# KiCad board FrontEnd_5G.kicad_pcb (continued)
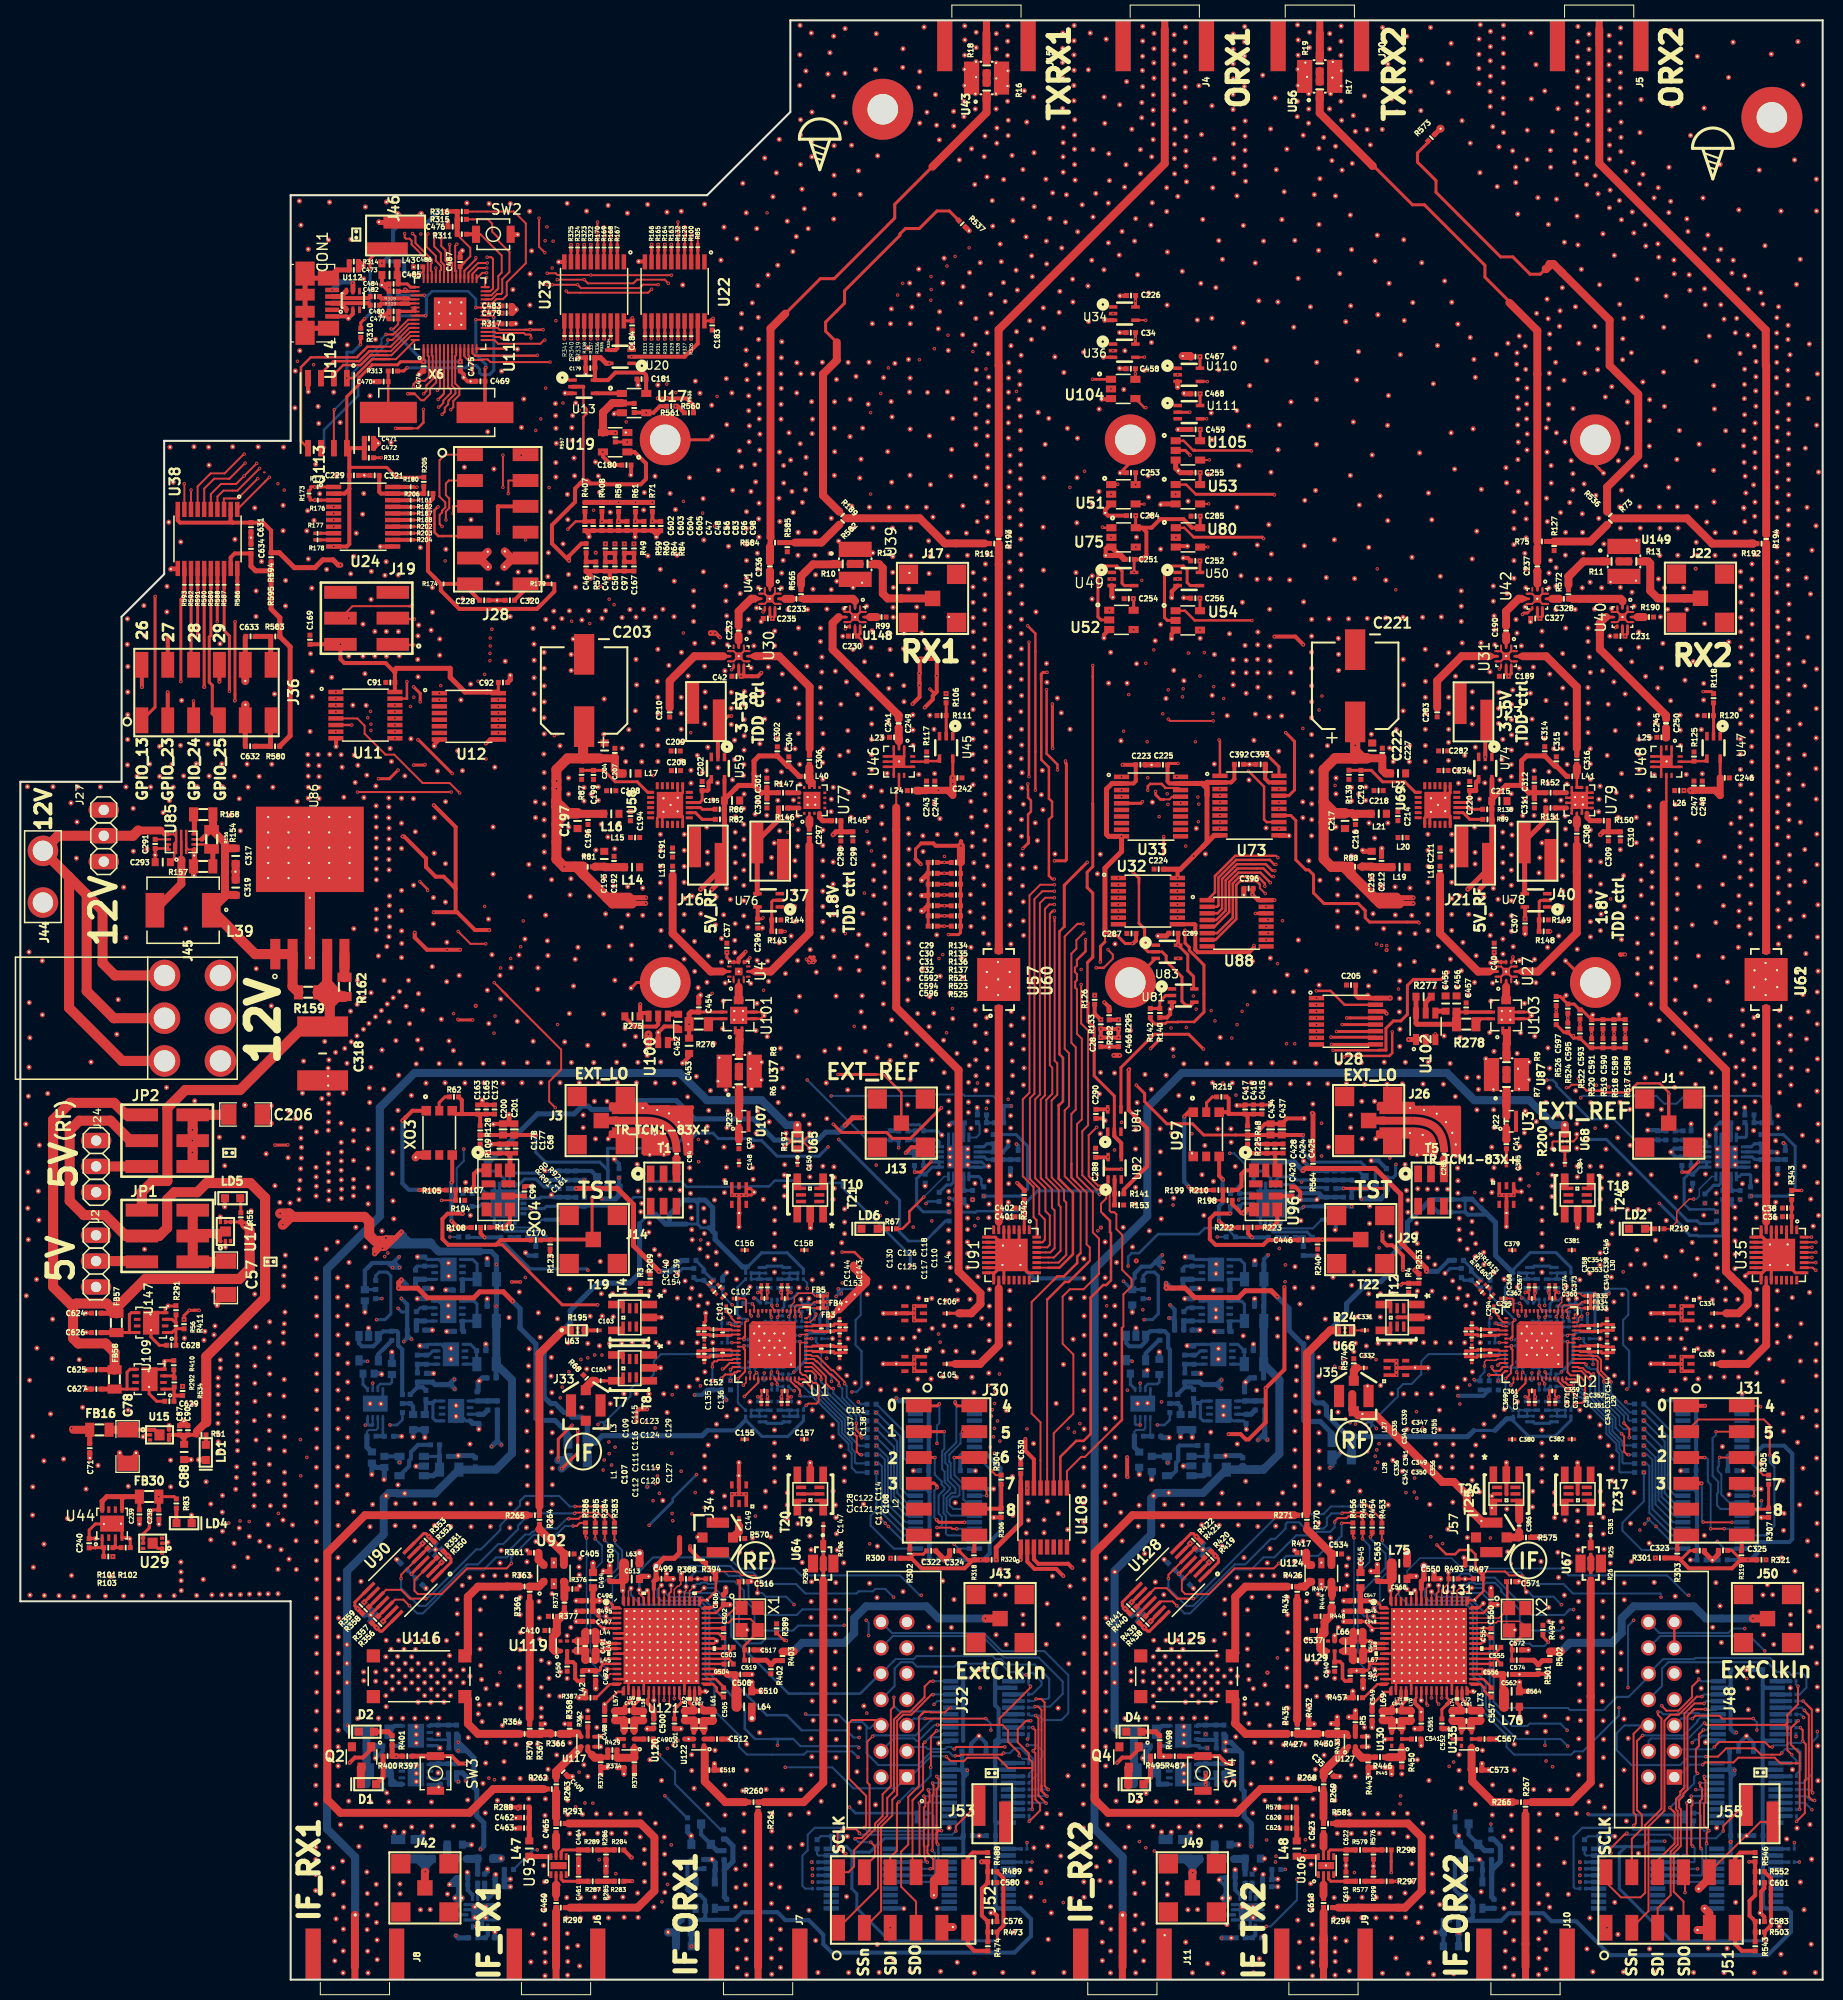
[diagram p0: board, top side]
## Routing (per net, layer and track width the routed paths; a pad name or vN(x,y) marks a point on that pad's centre or on a via; arc(x,y) is an arc through that point) (continued)
Net-(R62-Pad2): length 2.1
  F.RO w0.3: R62.2 41.74,86.77 41.17,86.2 41.17,85.35
Net-(R67-Pad1): length 7.8
  F.RO w0.15: 86.7,73.8 86.56,73.8
  F.RO w0.25: v2(88.81,76.92) 87.39,75.5 87.39,74.49 86.7,73.8 ; R67.1 86.56,73.8
  B2.RO w0.15: v2(88.81,76.92) 90.83,78.94 U18.15
Net-(R69-Pad2): length 2.3
  B2.RO w0.25: 94.47,78.68 94.47,78.71 94.47,78.16 R69.2
  B2.RO w0.3: 94.47,78.68 94.21,78.94 U18.11
Net-(R70-Pad2): length 1.7
  B2.RO w0.3: R70.2 89.28,81.69 89.6,81.37 U18.19
Net-(R77-Pad1): length 1.5
  B2.RO w0.3: R77.1 91.92,77.86 92.24,78.18 U18.13
Net-(R78-Pad1): length 2.4
  B2.RO w0.3: R78.1 91.06,78.12 91.47,78.12 91.74,78.39 U18.14
Net-(R82-Pad1): length 2.8
  F.RO w0.3: 68.32,114.04 67.03,114.04 66.37,114.7 U58.8
Net-(R85-Pad1): length 1.2
  F.RO w0.3: U22.2 66.59,170 R85.1
Net-(R86-Pad1): length 2.6
  F.RO w0.3: 68.3,115.03 67.04,115.03 66.87,115.2 U58.9
Net-(R89-Pad1): length 2.8
  F.RO w0.3: R89.1 142.49,114.05 141.83,114.71 U69.8
Net-(R99-Pad2): length 1.2
  F.RO w0.3: U39.11 83.52,133.93
  F.RO w0.79: R99.2 83.52,133.93
Net-(R100-Pad1): length 1.2
  F.RO w0.3: U22.3 65.94,170 R100.1
Net-(R101-Pad2): length 1.9
  F.RO w0.3: R102.2 R101.2 9.34,42.71 U44.3
Net-(R105-Pad2): length 14.1
  F.RO w0.4: 37.85,84.72 37.91,84.78 v2(37.57,84.44) 38.54,85.41 39.9,85.41 ; R105.2 v2(39.2,77.61)
  B2.RO w0.4: v2(39.2,77.61) 39.17,77.64 38.18,77.64 37.81,78.01 ; 37.81,78.01 37.8,78.01 ; 37.81,78.01 37.55,78.27 37.55,84.42 v2(37.57,84.44)
Net-(R106-Pad2): length 3.3
  F.RO w0.3: R106.2 91.01,125.5 R111.2 U45.2
Net-(R107-Pad2): length 3.7
  F.RO w0.4: 44.61,79.21 44.95,79.55 XO4.1 ; 44.61,79.21 44.61,79.19 ; 44.61,79.21 44.59,79.19 44.59,77.98 44.22,77.61 R107.2
Net-(R108-Pad1): length 8.7
  F.RO w0.4: v2(42.38,74.57) 43.02,73.93 R108.1 ; v2(42.38,78.35) 42.46,78.43 XO3.4
  B2.RO w0.4: v2(42.38,74.57) v2(42.38,78.35)
Net-(R110-Pad1): length 3.4
  F.RO w0.4: R110.1 47.6,73.94 48.13,74.47 48.13,75.7
Net-(R114-Pad1): length 5.6
  B2.RO w0.2: 51.59,74.7 51.26,74.7 50.49,73.93 48.2,73.93 48.11,74.02 U21.17
  B2.RO w0.4: 51.59,74.7 52.97,74.7 R114.1
Net-(R117-Pad2): length 2.8
  F.RO w0.25: U45.4 90.11,119.77 R117.2 89.04,119.72 U46.11
Net-(R118-Pad2): length 3.3
  F.RO w0.3: R118.2 166.44,125.5 R120.2 U47.2
Net-(R119-Pad1): length 1.5
  B2.RO w0.3: R119.1 44.39,76 45.11,76 45.4,76.29 U21.3
  B2.RO w0.4: 44.41,76 R119.1
Net-(R121-Pad2): length 1.8
  B2.RO w0.3: R121.2 44.44,77.34 44.92,77.82 45.24,77.82 45.76,77.3 U21.5
  B2.RO w0.4: 44.42,77.3 R121.2
Net-(R122-Pad2): length 5
  B2.RO w0.3: 51.59,77.95 51.43,77.95 50.69,78.69 49.57,78.69 49.02,78.14 U21.10
  B2.RO w0.4: R122.2 52.79,77.95 51.59,77.95
Net-(R125-Pad2): length 2.8
  F.RO w0.25: 165.8,120.02 165.55,119.77 R125.2 164.47,119.72 U48.11
Net-(R127-Pad2): length 6.6
  F.RO w0.5: R75.1 R127.2
  F.RO w0.79: R73.2 154.34,141.36 R127.2
Net-(R129-Pad1): length 1.2
  F.RO w0.3: U22.4 65.29,170 R129.1
Net-(R131-Pad1): length 1.6
  F.RO w0.15: v2(147.38,66.48) 147.58,66.28 U2.54
  B2.RO w0.15: v2(147.38,66.48) 147.39,66.47 v2(147.38,66.48) ; v2(147.38,66.48) R131.1
Net-(R132-Pad1): length 1.2
  F.RO w0.3: U22.5 64.65,170 R132.1
Net-(R138-Pad1): length 2.6
  F.RO w0.3: R138.1 142.47,115.03 142.31,115.21 U69.9
Net-(R140-Pad2): length 3.1
  F.RO w0.3: U81.2 112.59,96.73 112.01,96.15 R142.2 R140.2
Net-(R141-Pad2): length 2.5
  F.RO w0.4: U82.2 R141.2 107.56,77.23 R153.2
Net-(R143-Pad1): length 3.8
  F.RO w0.3: U76.2 74.01,106.09 73.86,105.94 R144.2
  F.RO w0.4: R143.1 R144.2
Net-(R145-Pad2): length 1.7
  F.RO w0.5: R145.2 78.88,113.91 78.56,114.23 U77.4
Net-(R146-Pad1): length 1.1
  F.RO w0.5: U77.16 R146.1
Net-(R147-Pad1): length 1.1
  F.RO w0.5: U77.13 R147.1
Net-(R148-Pad1): length 3.7
  F.RO w0.3: U78.2 149.44,106.09 149.31,105.95 R149.2
  F.RO w0.4: 149.3,104.16 R148.1
Net-(R150-Pad2): length 1.7
  F.RO w0.5: R150.2 154.33,113.92 154,114.24 U79.4
Net-(R151-Pad1): length 1.1
  F.RO w0.5: U79.16 R151.1
Net-(R152-Pad1): length 1.1
  F.RO w0.5: U79.13 R152.1
Net-(R154-Pad1): length 3.6
  F.RO w0.25: R154.1 18.36,111.58 U85.5
  F.RO w0.5: R157.2 18.92,111.02 R154.1
Net-(R158-Pad1): length 3.7
  F.RO w0.25: U85.7 17.11,114.45 R158.1
  F.RO w0.5: 17.11,112.85 17.11,114.45 R158.1
Net-(R162-Pad1): length 2.3
  F.RO w1: R162.1 U86.5
Net-(R163-Pad1): length 1.2
  F.RO w0.3: U22.6 63.99,170 R163.1
Net-(R164-Pad1): length 1.2
  F.RO w0.3: U22.7 63.35,170 R164.1
Net-(R165-Pad1): length 1.2
  F.RO w0.3: U22.8 62.7,170 R165.1
Net-(R166-Pad1): length 1.2
  F.RO w0.3: U22.9 62.04,170 R166.1
Net-(R167-Pad1): length 1.1
  F.RO w0.3: R167.1 58.68,168.85 U23.2
Net-(R168-Pad1): length 1.1
  F.RO w0.3: U23.3 58.02,169.97 R168.1
Net-(R169-Pad1): length 1.1
  F.RO w0.3: U23.4 57.37,169.97 R169.1
Net-(R170-Pad1): length 1.1
  F.RO w0.3: U23.5 56.73,169.97 R170.1
Net-(R175-Pad2): length 1.3
  F.RO w0.3: U24.1 30.79,146.72 R175.2
Net-(R176-Pad2): length 1.3
  F.RO w0.3: U24.3 30.79,145.42 R176.2
Net-(R177-Pad2): length 1.3
  F.RO w0.3: R177.2 29.49,142.17 U24.8
Net-(R178-Pad2): length 1.3
  F.RO w0.3: R178.2 29.49,141.52 30.8,141.52
Net-(R180-Pad1): length 1.5
  F.RO w0.4: 38.1,146.72 38.09,146.72 U24.20
Net-(R181-Pad1): length 1.5
  F.RO w0.4: 38.1,145.41 38.09,145.42 U24.18
Net-(R182-Pad1): length 1.5
  F.RO w0.4: R182.1 38.1,144.77 U24.17
Net-(R187-Pad1): length 1.5
  F.RO w0.4: R187.1 38.1,144.12 U24.16
Net-(R188-Pad1): length 1.5
  F.RO w0.4: R188.1 38.1,143.47 U24.15
Net-(R189-Pad2): length 39.1
  F.RO w0.3: 80.26,160.93 79.16,162.03 79.16,162.92 81.02,164.78 81.02,166 86.46,171.44 86.46,171.58 87,172.12 88.38,172.12 90.1,173.84 91.32,173.84 R537.2
  F.RO w0.79: 80.26,160.93 80.26,159.17 78.9,157.81 78.9,145.89 R189.2
Net-(R190-Pad2): length 1.2
  F.RO w0.3: U40.11 158.97,133.93
  F.RO w0.79: 158.97,133.93 R190.2
Net-(R191-Pad1): length 40
  F.RO w0.79: U57.2 96.18,139.1 R191.1
Net-(R192-Pad1): length 40
  F.RO w0.79: 171.61,101.13 U61.2 R192.1
Net-(R196-Pad1): length 1.8
  F.RO w0.2: 78.93,40.39 78.93,40 ; R196.1 78.93,41.41
  F.RO w0.7: 78.93,40.39 78.94,40.39 78.93,40.4 78.93,41.41
Net-(R199-Pad2): length 10.8
  F.RO w0.4: v2(114.41,84.84) 114.84,85.27 115.3,85.27 ; v2(114.82,77.94) 115.15,77.61 R199.2
  B2.RO w0.4: v2(114.41,84.84) 114.41,78.42 114.82,78.01 v2(114.82,77.94)
Net-(R202-Pad1): length 1.5
  F.RO w0.4: R202.1 38.1,142.81 U24.14
Net-(R203-Pad1): length 1.5
  F.RO w0.4: R203.1 38.1,142.17 U24.13
Net-(R204-Pad1): length 1.5
  F.RO w0.4: R204.1 38.1,141.52 36.6,141.52
Net-(R210-Pad2): length 3.6
  F.RO w0.4: U96.1 120.4,79.55 120.03,79.18 120.03,77.99 119.65,77.61 R210.2
Net-(R215-Pad2): length 2.1
  F.RO w0.3: 116.61,85.35 116.61,86.2 117.18,86.77 R215.2
Net-(R219-Pad1): length 8.3
  F.RO w0.15: 162.83,74.69 162.83,75.5 164.05,76.72 v2(164.5,76.72) ; 162.83,74.69 162.83,74.65 ; 162.83,74.69 162.83,74.49 162.14,73.8 R219.1
  B2.RO w0.15: v2(164.5,76.72) 164.76,76.72 165.04,77 165.04,77.71 166.27,78.94 U98.15
Net-(R220-Pad2): length 2.7
  B2.RO w0.2: 170.09,77.9 R220.2
  B2.RO w0.3: U98.11 168.98,78.94 169.18,79.14 170,79.14 170.09,79.05 170.09,77.9
Net-(R221-Pad2): length 1.7
  B2.RO w0.3: R221.2 164.72,81.69 165.04,81.37 U98.19
Net-(R222-Pad1): length 9
  F.RO w0.3: v2(118.23,78.63) 118.24,78.63
  F.RO w0.4: v2(117.82,74.58) 118.47,73.93 R222.1 ; 117.84,80.92 117.84,79.02 v2(118.23,78.63)
  B2.RO w0.3: 118.19,78.59 v2(118.23,78.63)
  B2.RO w0.4: v2(117.82,74.58) 117.82,76 118.19,76.37 118.19,78.65 118.19,78.59
Net-(R223-Pad1): length 3.4
  F.RO w0.4: 123.57,75.7 123.57,74.47 123.04,73.94 R223.1
Net-(R230-Pad2): length 1.5
  B2.RO w0.3: U98.13 167.68,78.18 167.36,77.86 R230.2
Net-(R231-Pad2): length 2.7
  B2.RO w0.3: R231.2 166.46,78.08 166.96,78.08 167.18,78.3 U98.14
Net-(R234-Pad1): length 5.9
  B2.RO w0.2: 127.92,74.7 127.06,73.84 123.46,73.84 123.41,73.89 U99.17
  B2.RO w0.4: R234.1 127.92,74.7
Net-(R237-Pad1): length 1.3
  B2.RO w0.3: U99.3 120.14,76.29 R237.1
  B2.RO w0.4: 119.85,76 R237.1
Net-(R238-Pad2): length 1.2
  B2.RO w0.3: U99.5 R238.2
Net-(R239-Pad2): length 4.7
  B2.RO w0.25: R239.2 128.33,77.84
  B2.RO w0.3: 128.33,77.84 125.48,77.84 125.18,78.14 U99.10
Net-(R241-Pad2): length 2.1
  B2.RO w0.3: 116.4,61.8 115.99,61.8 115.58,61.39 R242.1
  B2.RO w0.4: R241.2 R242.1
Net-(R243-Pad2): length 1.9
  B2.RO w0.3: R243.2 114.75,66.04 R246.1 116.13,66.04 U140.3
Net-(R254-Pad2): length 2.2
  B2.RO w0.3: R254.2 114.29,69.95 114.47,70.13 R259.1 115.19,70.14 116.16,70.14
Net-(R262-Pad2): length 71
  F.RO w0.5: 49.31,18.74 R262.2 ; 49.79,45.65 R265.2
  F.RO w0.79: 51.45,18.74 46.49,18.74 44.15,16.4 31.47,16.4 30.18,17.69 30.18,41.95 33.88,45.65 49.79,45.65
Net-(R268-Pad2): length 68.9
  F.RO w0.5: R268.2 126.85,18.74 ; R271.2 125.22,45.65
  F.RO w0.79: 125.22,45.65 109.32,45.65 105.62,41.95 105.62,17.68 105.85,17.45 105.85,17.47 106.92,16.4 119.59,16.4 121.93,18.74 126.85,18.74
Net-(R275-Pad1): length 4.6
  F.RO w0.4: U100.5 62.7,93.89 62.49,93.68 60.35,93.68 59.42,94.61 R275.1
Net-(R276-Pad1): length 2.6
  F.RO w0.15: R276.1 68.18,94.45 69.12,94.45
  F.RO w0.3: 69.13,94.45 68.19,94.45
Net-(R277-Pad1): length 2.6
  F.RO w0.3: R277.1 138.15,96.06
  F.RO w0.5: R277.1 138.15,96.06 138.15,95
Net-(R278-Pad1): length 1.7
  F.RO w0.3: R278.1 143.63,94.45 U103.8
Net-(R283-Pad1): length 2.6
  F.RO w0.4: R285.1 R287.1
  F.RO w0.5: R287.1 R283.1
Net-(R284-Pad1): length 1.7
  F.RO w0.5: R284.1 R286.1 R289.1
Net-(R290-Pad2): length 24.1
  F.RO w0.5: 53.91,15.35 53.91,15.34 53.9,15.35 R293.2 ; R290.2 54.04,7.08
  F.RO w0.79: 53.91,15.35 60.97,15.35 62.33,13.99 62.33,8.73 60.68,7.08 54.04,7.08
Net-(R291-Pad1): length 2
  F.RO w0.3: U147.3 14.92,64.91 R56.2 15.29,65.36
Net-(R292-Pad2): length 2
  F.RO w0.3: 15.11,59.98 15.11,59.17 R292.2 14.93,59.34 U109.3
Net-(R294-Pad2): length 24.1
  F.RO w0.5: 131.54,7.08 131.56,7.1 ; 129.39,15.35 R581.2 ; R294.2 129.56,7.08
  F.RO w0.79: 129.39,15.35 136.41,15.35 137.76,14 137.76,8.72 136.12,7.08 129.56,7.08
Net-(R297-Pad1): length 1.7
  F.RO w0.5: R577.1 R299.1 R297.1
Net-(R298-Pad1): length 1.7
  F.RO w0.5: R298.1 R576.1 R579.1
Net-(R317-Pad2): length 2.9
  F.RO w0.2: U115.19 46.26,162.75 46.21,162.75 R317.2
  F.RO w0.3: R317.2 46.21,162.75
Net-(R322-Pad1): length 1.1
  F.RO w0.3: U23.6 56.07,169.97 R322.1
Net-(R323-Pad1): length 1.1
  F.RO w0.3: U23.7 55.43,169.97 R323.1
Net-(R324-Pad1): length 1.1
  F.RO w0.3: U23.8 54.77,169.97 R324.1
Net-(R325-Pad1): length 1.1
  F.RO w0.3: U23.9 54.12,169.97 R325.1
Net-(R326-Pad2): length 1.2
  F.RO w0.25: U22.18 65.94,163.04
  F.RO w0.3: 65.94,163.04 R326.2
Net-(R327-Pad2): length 1.2
  F.RO w0.3: R327.2 65.3,163.04 U22.17
Net-(R328-Pad2): length 1.2
  F.RO w0.3: R328.2 64.65,163.04 U22.16
Net-(R329-Pad2): length 1.2
  F.RO w0.3: R329.2 64,163.04 U22.15
Net-(R330-Pad2): length 1.2
  F.RO w0.3: R330.2 63.35,163.04 U22.14
Net-(R331-Pad2): length 1.2
  F.RO w0.3: R331.2 62.7,163.04 U22.13
Net-(R332-Pad2): length 1.2
  F.RO w0.3: R332.2 62.05,163.04 U22.12
Net-(R333-Pad2): length 1.2
  F.RO w0.3: U22.11 61.4,161.82 R333.2
Net-(R334-Pad2): length 1.2
  F.RO w0.3: U23.18 58.02,161.84 R334.2
Net-(R335-Pad2): length 1.2
  F.RO w0.3: U23.17 57.37,161.84 R335.2
Net-(R336-Pad2): length 1.2
  F.RO w0.3: U23.16 56.73,161.84 R336.2
Net-(R337-Pad2): length 1.2
  F.RO w0.3: U23.15 56.07,161.84 R337.2
Net-(R338-Pad2): length 1.2
  F.RO w0.3: R338.2 55.43,163.04 U23.14
Net-(R339-Pad2): length 1.2
  F.RO w0.3: R339.2 54.78,163.04 U23.13
Net-(R340-Pad2): length 1.2
  F.RO w0.3: R340.2 54.13,163.04 U23.12
Net-(R341-Pad2): length 1.2
  F.RO w0.3: R341.2 53.48,163.04 U23.11
Net-(R344-Pad1): length 3.5
  B2.RO w0.25: 117.52,19.77 115.77,19.77 115.69,19.84
  B2.RO w0.4: 117.57,19.77 117.57,20.27 R72.2 ; 117.57,19.77 117.57,19.92 117.52,19.97 117.52,19.77 117.57,19.77 ; 117.57,19.77 117.57,19.17
Net-(R345-Pad2): length 3.3
  B2.RO w0.4: 117.57,23.57 117.57,24.07 R345.2 ; 117.57,23.57 R346.1 ; 117.57,23.57 115.77,23.57 U26.3
Net-(R349-Pad1): length 1.3
  F.RO w0.3: v2(41.41,41.02) 41.41,41.02 R350.1 40.52,40.12 U90.2
Net-(R353-Pad1): length 1.3
  F.RO w0.3: v2(39.55,42.88) 39.55,42.84 U90.6
  B2.RO w0.3: v2(39.55,42.88) R354.1
Net-(R355-Pad1): length 1.3
  F.RO w0.3: v2(35.67,35.22) 35.67,35.28 U90.13
  B2.RO w0.4: v2(35.67,35.22) 35.66,35.22 R355.1
Net-(R359-Pad1): length 1.3
  F.RO w0.3: U90.9 v2(33.8,37.09)
  B2.RO w0.3: v2(33.8,37.09) R360.1
Net-(R361-Pad2): length 1.4
  F.RO w0.79: U92.6 50.94,41.28 R361.2
Net-(R362-Pad2): length 1
  F.RO w0.4: U117.5 R362.2
Net-(R363-Pad1): length 17.8
  F.RO w0.79: 43.99,32.11 43.99,37.63 ; 43.99,32.11 U116.2 ; 43.99,32.11 U116.2 ; U116.2 44,32.12 44,37.64 44.99,38.63 47.83,38.63 47.83,38.64 R363.1
Net-(R363-Pad2): length 1.6
  F.RO w0.79: U92.1 50.98,38.64 R363.2
Net-(R364-Pad1): length 8.3
  F.RO w0.79: U116.1 44,27.52 44,25.15 44.99,24.16 R364.1
Net-(R364-Pad2): length 2.2
  F.RO w0.79: R366.2 52.11,24.21 R367.2 51.16,24.16 R364.2
Net-(R366-Pad1): length 2.2
  F.RO w0.5: 54.79,24.21 U117.6
  F.RO w0.79: 54.79,24.21 R368.2 53.95,24.16 R366.1
Net-(R369-Pad2): length 15.7
  F.RO w0.5: 50.07,35.51 R369.2 ; 50.07,27.2 R370.2
  F.RO w0.79: 50.07,37.11 50.07,25.7
Net-(R371-Pad1): length 1.2
  B2.RO w0.5: U118.1 68.28,7 R371.1
Net-(R372-Pad2): length 3.4
  F.RO w0.5: 56.17,22.11 55.78,22.5 U117.2 ; R372.2 57.1,21.87 R374.1 R429.2
  F.RO w0.79: R372.2 56.46,21.82 56.17,22.11
Net-(R373-Pad2): length 2.5
  F.RO w0.5: R376.2 53.43,38.78 U92.3
  F.RO w0.79: R373.2 53.48,39.06 U92.3
Net-(R374-Pad2): length 4.5
  F.RO w0.3: R378.2 60.36,22.96 U120.1
  F.RO w0.5: R429.1 R374.2
  F.RO w0.79: 60.35,22.67 60.36,22.66 R378.2 58.71,21.81 R374.2
Net-(R375-Pad1): length 2.1
  B2.RO w0.4: R375.1 67.19,10.9 R379.2 66.37,10.89 U118.4
Net-(R383-Pad1): length 9.7
  F.RO w0.15: 57.62,36.54 58.12,36.04 U121.2
  F.RO w0.2: v2(58.45,43.18) 58.4,43.23 R383.1
  B2.RO w0.15: 59.15,40.22 58.2,39.27 58.2,36.99 57.75,36.54 57.62,36.54
  B2.RO w0.2: v2(58.45,43.18) 58.45,42.89 59.15,42.19 59.15,40.22
Net-(R384-Pad1): length 12
  F.RO w0.15: 57.56,35.71 57.73,35.54 U121.3
  F.RO w0.2: v2(57.43,43.2) 57.45,43.22 R384.1
  B2.RO w0.15: 58.66,40.36 56.41,38.12 56.41,35.97 56.67,35.71 57.56,35.71
  B2.RO w0.2: v2(57.43,43.2) 58.77,41.86 58.77,40.48 58.66,40.36
Net-(R385-Pad1): length 15.9
  F.RO w0.15: 57.69,30.51 57.72,30.54 U121.13
  F.RO w0.2: v2(56.5,43.33) 56.52,43.35 R385.1
  B2.RO w0.15: 57.18,42.32 57.18,41.05 56.04,39.91 56.04,32.15 57.68,30.51 57.69,30.51
  B2.RO w0.2: v2(56.5,43.33) 57.18,42.65 57.18,42.32
Net-(R386-Pad1): length 16.5
  F.RO w0.15: 57.65,29.74 57.95,30.04 U121.14
  F.RO w0.2: v2(55.66,43.42) 55.55,43.53 R386.1
  B2.RO w0.15: 55.66,43.46 v2(55.66,43.42) 55.66,31.65 56.86,30.45 56.86,30.12 57.24,29.74 57.65,29.74
Net-(R387-Pad2): length 2.7
  F.RO w0.25: R387.2 56.62,27.71 57.95,29.04 U121.16
Net-(R405-Pad1): length 1.3
  B2.RO w0.3: R405.1 98.39,12.86 U123.1
Net-(R406-Pad1): length 1.3
  B2.RO w0.3: R406.1 98.39,11.56 U123.3
Net-(R413-Pad1): length 2
  B2.RO w0.4: R413.1 87.5,9.61 U133.6
Net-(R416-Pad1): length 1.3
  B2.RO w0.3: R416.1 78.42,8.96 U133.14
Net-(R417-Pad2): length 1.6
  F.RO w0.79: R417.2 126.4,41.03 126.68,40.75 U124.6
Net-(R418-Pad1): length 1.3
  F.RO w0.3: U128.2 v2(116.85,41.02)
Net-(R422-Pad1): length 1.3
  F.RO w0.3: U128.6 115,42.85
  F.RO w0.4: 115,42.85 v2(115,42.89)
Net-(R424-Pad1): length 1.2
  B2.RO w0.5: U126.1 144.86,7.01 R424.1
Net-(R426-Pad1): length 11.9
  F.RO w0.79: R426.1 120.43,38.63 119.43,37.63 119.43,32.11 ; 119.43,32.11 U125.2 119.43,32.11
Net-(R426-Pad2): length 2.3
  F.RO w0.5: 126.71,39.11 126.23,38.63 ; 125.87,38.63 R426.2
  F.RO w0.79: 125.87,38.63 126.23,38.63 126.71,39.11 U124.1
Net-(R427-Pad1): length 8.8
  F.RO w0.79: 119.39,25.21 119.46,25.15 ; 119.46,25.15 120.44,24.16 R427.1 ; 119.46,25.15 119.46,27.5 U125.1 119.39,27.57
Net-(R427-Pad2): length 2.2
  F.RO w0.79: R427.2 126.61,24.16 R432.2 126.71,24.16 R430.2
Net-(R430-Pad1): length 3
  F.RO w0.5: 129.54,24.13 130.34,24.13 U127.6
  F.RO w0.79: 130.34,24.13 129.54,24.13 R433.2 129.39,24.16 R430.1
Net-(R431-Pad1): length 2.1
  B2.RO w0.4: R431.1 R436.2 U126.4
Net-(R434-Pad2): length 15.3
  F.RO w0.5: 125.53,35.77 125.53,37.67 R434.2 ; 125.51,26.75 125.51,25.13 R435.2
  F.RO w0.79: 125.51,25.57 125.52,25.57 125.52,37.27 125.53,37.28
Net-(R437-Pad1): length 1.3
  F.RO w0.3: U128.13 111.99,36.11 R438.1
  F.RO w0.5: v2(111.11,35.23) R438.1
Net-(R441-Pad1): length 1.3
  F.RO w0.3: v2(109.24,37.09) U128.9
Net-(R443-Pad2): length 2.7
  F.RO w0.5: U127.2 131.23,22.47 131.32,22.38 ; R443.2 132.56,21.87 R446.1
  F.RO w0.79: 131.32,22.4 131.32,22.38 131.89,21.81 R443.2
Net-(R444-Pad2): length 3.7
  F.RO w0.25: R447.2 128.94,38.09 R444.2
  F.RO w0.5: 128.94,38.4 128.94,39.05 U124.3 128.88,38.79 ; R444.2 128.94,37.82
  F.RO w0.79: 128.94,37.82 128.94,38.4 128.88,38.46 U124.3
Net-(R445-Pad1): length 5
  F.RO w0.5: U130.1 135.8,21.81 R450.2 134.16,21.81 R446.2
  F.RO w0.79: 135.79,22.57 135.79,21.82 R450.2 135.75,21.86 134.46,21.86
Net-(R453-Pad1): length 9.7
  F.RO w0.15: 133.06,36.49 133.51,36.04 U131.2
  F.RO w0.2: v2(133.89,43.18) 133.84,43.23 R453.1
  B2.RO w0.15: 134.6,40.23 133.65,39.28 133.65,37.07 133.64,37.07 133.06,36.49
  B2.RO w0.2: v2(133.89,43.18) 133.89,42.89 134.6,42.18 134.6,40.23
Net-(R454-Pad1): length 12.7
  F.RO w0.15: 133.01,35.71 133.18,35.54 U131.3
  F.RO w0.25: v2(132.71,43.52) 132.89,43.7 R454.1
  B2.RO w0.2: 133.29,42.78 134.21,41.87 134.21,40.47 131.87,38.13 131.87,35.97 132.13,35.71 133.01,35.71 ; 133.29,42.78 132.71,43.36 v2(132.71,43.52) ; 133.29,42.78 132.87,43.2
Net-(R455-Pad1): length 15.9
  F.RO w0.2: 133.14,30.51 134.06,30.51 U131.13 ; v2(131.94,43.33) 131.95,43.34 R455.1
  B2.RO w0.15: 132.63,42.29 132.63,41.05 131.48,39.9 131.48,32.17 133.14,30.51
  B2.RO w0.2: v2(131.94,43.33) 132.63,42.64 132.63,42.29
Net-(R456-Pad1): length 16.2
  F.RO w0.2: 132.88,29.87 133.38,29.87 133.55,30.04 U131.14 ; v2(131.1,43.42) 130.99,43.53 R456.1
  B2.RO w0.15: 131.1,43.45 v2(131.1,43.42) 131.1,31.65 132.88,29.87
Net-(R457-Pad2): length 2.7
  F.RO w0.25: R457.2 132.08,27.71 133.41,29.04 U131.16
Net-(R460-Pad1): length 1.5
  B2.RO w0.4: R460.1 98.58,21.28 97.13,21.28
Net-(R461-Pad1): length 1.5
  B2.RO w0.4: R461.1 98.6,19.99 U132.3
Net-(R462-Pad1): length 1.5
  B2.RO w0.4: R462.1 98.59,19.34 U132.4
Net-(R463-Pad1): length 1.5
  B2.RO w0.4: R463.1 98.6,18.69 U132.5
Net-(R464-Pad1): length 1.5
  B2.RO w0.4: R464.1 98.6,18.03 U132.6
Net-(R465-Pad1): length 1.5
  B2.RO w0.4: R465.1 98.59,17.39 U132.7
Net-(R466-Pad1): length 1.5
  B2.RO w0.4: R466.1 98.59,16.74 U132.8
Net-(R467-Pad1): length 1.5
  B2.RO w0.4: R467.1 98.6,16.09 U132.9
Net-(R468-Pad1): length 2
  B2.RO w0.4: R468.1 87.49,12.21 U133.2
Net-(R469-Pad1): length 2
  B2.RO w0.4: R469.1 87.49,11.56 U133.3
Net-(R470-Pad1): length 2
  B2.RO w0.4: R470.1 87.5,10.91 U133.4
Net-(R471-Pad1): length 2
  B2.RO w0.4: R471.1 87.48,10.25 U133.5
Net-(R475-Pad1): length 1.3
  B2.RO w0.4: R475.1 98.55,29.34 U134.1
Net-(R476-Pad1): length 1.3
  B2.RO w0.4: R476.1 98.55,28.03 U134.3
Net-(R477-Pad1): length 1.3
  B2.RO w0.4: R477.1 98.55,27.39 U134.4
Net-(R478-Pad1): length 1.3
  B2.RO w0.4: R478.1 98.54,26.74 97.26,26.74
Net-(R479-Pad1): length 1.3
  B2.RO w0.4: R479.1 98.55,26.09 U134.6
Net-(R480-Pad1): length 1.3
  B2.RO w0.4: R480.1 98.55,25.44 U134.7
Net-(R481-Pad1): length 1.3
  B2.RO w0.4: R481.1 98.54,24.78 U134.8
Net-(R482-Pad1): length 1.3
  B2.RO w0.4: R482.1 98.54,24.14 97.26,24.14
Net-(R483-Pad1): length 1.3
  B2.RO w0.3: U133.18 78.42,11.56
  B2.RO w0.4: 78.42,11.56 R483.1
Net-(R484-Pad1): length 1.3
  B2.RO w0.3: R484.1 78.42,10.91 U133.17
Net-(R485-Pad1): length 1.3
  B2.RO w0.3: R485.1 78.42,10.25 U133.16
Net-(R486-Pad1): length 1.3
  B2.RO w0.3: R486.1 78.42,9.61 U133.15
Net-(R504-Pad1): length 1.3
  B2.RO w0.4: U136.1 173.97,29.33 ; 174,29.33 R504.1 174,29.33
Net-(R505-Pad1): length 1.3
  B2.RO w0.4: 172.71,28.03 U136.3 173.97,28.03 ; 174,28.03 R505.1
Net-(R506-Pad1): length 1.3
  B2.RO w0.4: 173.99,27.38 R506.1 ; U136.4 172.71,27.39 173.97,27.39
Net-(R507-Pad1): length 1.3
  B2.RO w0.4: 173.99,26.73 R507.1 ; U136.5 172.71,26.74 173.97,26.74
Net-(R508-Pad1): length 1.3
  B2.RO w0.4: 173.99,26.08 R508.1 ; U136.6 172.71,26.09 173.97,26.09
Net-(R509-Pad1): length 1.3
  B2.RO w0.4: 173.99,25.43 R509.1 ; U136.7 172.71,25.44 173.97,25.44
Net-(R510-Pad1): length 1.3
  B2.RO w0.4: 173.99,24.78 R510.1 ; U136.8 172.71,24.78 173.97,24.78
Net-(R511-Pad1): length 1.3
  B2.RO w0.4: 173.99,24.13 R511.1 ; U136.9 172.71,24.14 173.97,24.14
Net-(R512-Pad1): length 1.5
  B2.RO w0.4: U137.1 172.58,21.28 R512.1
Net-(R513-Pad1): length 1.5
  B2.RO w0.4: U137.3 172.58,19.99 R513.1
Net-(R514-Pad1): length 1.5
  B2.RO w0.4: U137.4 172.58,19.34 R514.1
Net-(R515-Pad1): length 1.5
  B2.RO w0.4: U137.5 172.58,18.69 R515.1
Net-(R516-Pad1): length 1.5
  B2.RO w0.4: U137.6 172.58,18.03 R516.1
Net-(R527-Pad1): length 1.5
  B2.RO w0.4: U137.7 172.58,17.39 R527.1
Net-(R528-Pad1): length 1.5
  B2.RO w0.4: U137.8 172.58,16.74 R528.1
Net-(R529-Pad1): length 1.5
  B2.RO w0.4: U137.9 172.58,16.09 R529.1
Net-(R530-Pad1): length 1.3
  B2.RO w0.3: 172.56,12.84 U138.1 R530.1
Net-(R531-Pad1): length 1.3
  B2.RO w0.3: 172.56,11.56 U138.3 R531.1
Net-(R536-Pad2): length 50.7
  F.RO w0.3: 149.94,168.17 149.41,167.63 148.41,167.63 146.71,169.33 145.51,169.33 139.16,175.68 139.16,176.83 137.34,178.65 137.34,179.54 138.39,180.59 R573.2
  F.RO w0.79: 149.94,168.17 149.98,168.13 150.32,168.47 150.32,168.63 150.71,168.63 156.23,163.11 156.23,158.65 159.04,155.84 159.04,149.76 155.98,146.7 R536.2
Net-(R538-Pad1): length 2
  B2.RO w0.4: R538.1 160.96,12.21 U139.2
Net-(R539-Pad1): length 2
  B2.RO w0.4: R539.1 160.96,11.55 U139.3
Net-(R540-Pad1): length 2
  B2.RO w0.4: R540.1 162.93,10.91 160.96,10.91 U139.4
Net-(R541-Pad1): length 2
  B2.RO w0.4: R541.1 160.96,10.25 U139.5
Net-(R542-Pad1): length 2
  B2.RO w0.4: U139.6 162.94,9.6 R542.1
Net-(R547-Pad1): length 1.3
  B2.RO w0.3: R547.1 U139.18
Net-(R548-Pad1): length 1.3
  B2.RO w0.3: R548.1 U139.17
Net-(R549-Pad1): length 1.3
  B2.RO w0.3: R549.1 U139.16
Net-(R550-Pad1): length 1.3
  B2.RO w0.3: R550.1 U139.15
Net-(R551-Pad1): length 1.3
  B2.RO w0.3: R551.1 U139.14
Net-(R554-Pad1): length 94.7
  F.RO w0.5: v2(81.08,83.98) 81.82,84.72 v2(82.8,84.72) ; v2(127,85.16) 127.07,85.09 R564.2
  F.FR4 w0.25: 126.81,85.16 127.01,85.16 v2(127,85.16)
  F.FR4 w0.3: v2(107.56,81.55) 105.04,81.55 104.64,81.15 98.12,81.15 97.46,81.81 96.05,81.81 94.97,82.89 92.89,82.89 92.6,83.18 91.23,83.18 90.72,83.69 90.41,83.69 89.38,84.72 v2(82.8,84.72) ; 126.81,85.16 126.3,85.67 124.94,85.67 124.43,85.16 115.72,85.16 113.78,83.22 v2(113.1,83.22)
  B.FR4 w0.3: v2(113.1,83.22) 112.76,82.88 109.52,82.88 108.19,81.55 v2(107.56,81.55)
  B2.RO w0.3: 46.1,80.36 R554.1
  B2.RO w0.5: 46.1,80.36 50.84,85.1 54.44,85.1 55.19,85.85 55.83,85.85 56.15,85.53 58.37,85.53 59.25,86.41 64.48,86.41 66.29,84.6 72.05,84.6 74.13,82.52 78.39,82.52 78.39,82.53 79.16,83.3 80.39,83.3 80.39,83.29 v2(81.08,83.98)
Net-(R554-Pad2): length 2.7
  B2.RO w0.3: R554.2 46.81,79.46 47.61,78.66 U21.8
Net-(R555-Pad2): length 3.4
  B2.RO w0.3: U99.8 122.91,78.75 122.2,79.46 R555.2
  B2.RO w0.4: R555.2 121.23,78.59
Net-(R558-Pad1): length 2.7
  B2.RO w0.2: R558.1 111.07,53.56 111.07,55.19 111.08,55.2
  B2.RO w0.4: R559.2 111.21,53.42 R558.1
Net-(R562-Pad2): length 5.6
  B.FR4 w0.3: v2(110.08,54.52) v2(111.77,54.52)
  B2.RO w0.2: v2(110.08,54.52) 110.08,55.2
  B2.RO w0.25: 109.58,55.2 109.58,54.62 109.68,54.52 v2(110.08,54.52) ; R562.2 113,55.04 112.48,54.52 v2(111.77,54.52)
Net-(R566-Pad2): length 1.9
  B2.RO w0.3: R567.1 119.65,55.57 U143.3
  B2.RO w0.5: R566.2 120.98,55.57 R567.1
Net-(R568-Pad2): length 10.3
  B.FR4 w0.3: v2(110.08,58.63) 110.08,61.04 111.47,62.43 111.47,66.46 110.99,66.94 v2(110.97,66.94)
  B2.RO w0.25: v2(110.97,66.94) 110.97,66.93 ; v2(110.08,58.63) U144.2
  B2.RO w0.3: R568.2 110.97,66.93
Net-(R569-Pad2): length 14.9
  F.RO w0.3: v2(109.28,60.77) 109.28,60.78
  B.FR4 w0.3: v2(110.46,64.87) 110.57,64.87 109.21,64.87 108.79,64.45 108.79,63.51 109.28,63.02 v2(109.28,60.77)
  B2.RO w0.25: 108.83,60.78 U146.5
  B2.RO w0.3: R569.2 110.37,69.18 110.73,69.54 111.49,69.54 ; 111.86,69.17 111.86,65.44 111.29,64.87 v2(110.46,64.87) ; 111.86,69.17 111.49,69.54 ; 111.86,69.17 111.49,69.54 ; U146.5 108.74,60.85 109.2,60.85 v2(109.28,60.77)
Net-(R582-Pad2): length 6.6
  F.RO w0.5: R584.1 R585.2 76.14,141.25
  F.RO w0.79: 76.14,141.25 78.75,141.25 R582.2
Net-(R586-Pad1): length 1.3
  F.RO w0.4: 21.34,137.38 21.33,137.4 U38.20
Net-(R587-Pad1): length 1.3
  F.RO w0.4: R587.1 20.02,137.38 U38.18
Net-(R588-Pad1): length 1.3
  F.RO w0.4: R588.1 19.38,137.38 U38.17
Net-(R589-Pad1): length 1.3
  F.RO w0.4: R589.1 18.73,137.38 U38.16